# Altium PCB Discharge_B1.PcbDoc (part 2 of 2)
Units mm, origin at the board's own origin, x right, y up, seen from the top; angles counter-clockwise.
Board outline 152.4 x 81.92 mm, 4 copper layers (Top Layer, GND, PWR, Bottom Layer), stack 1.369 mm thick; 170 components, 115 nets, 560 pads, 460 vias.
Unrouted connection lines stored in the file: 8.
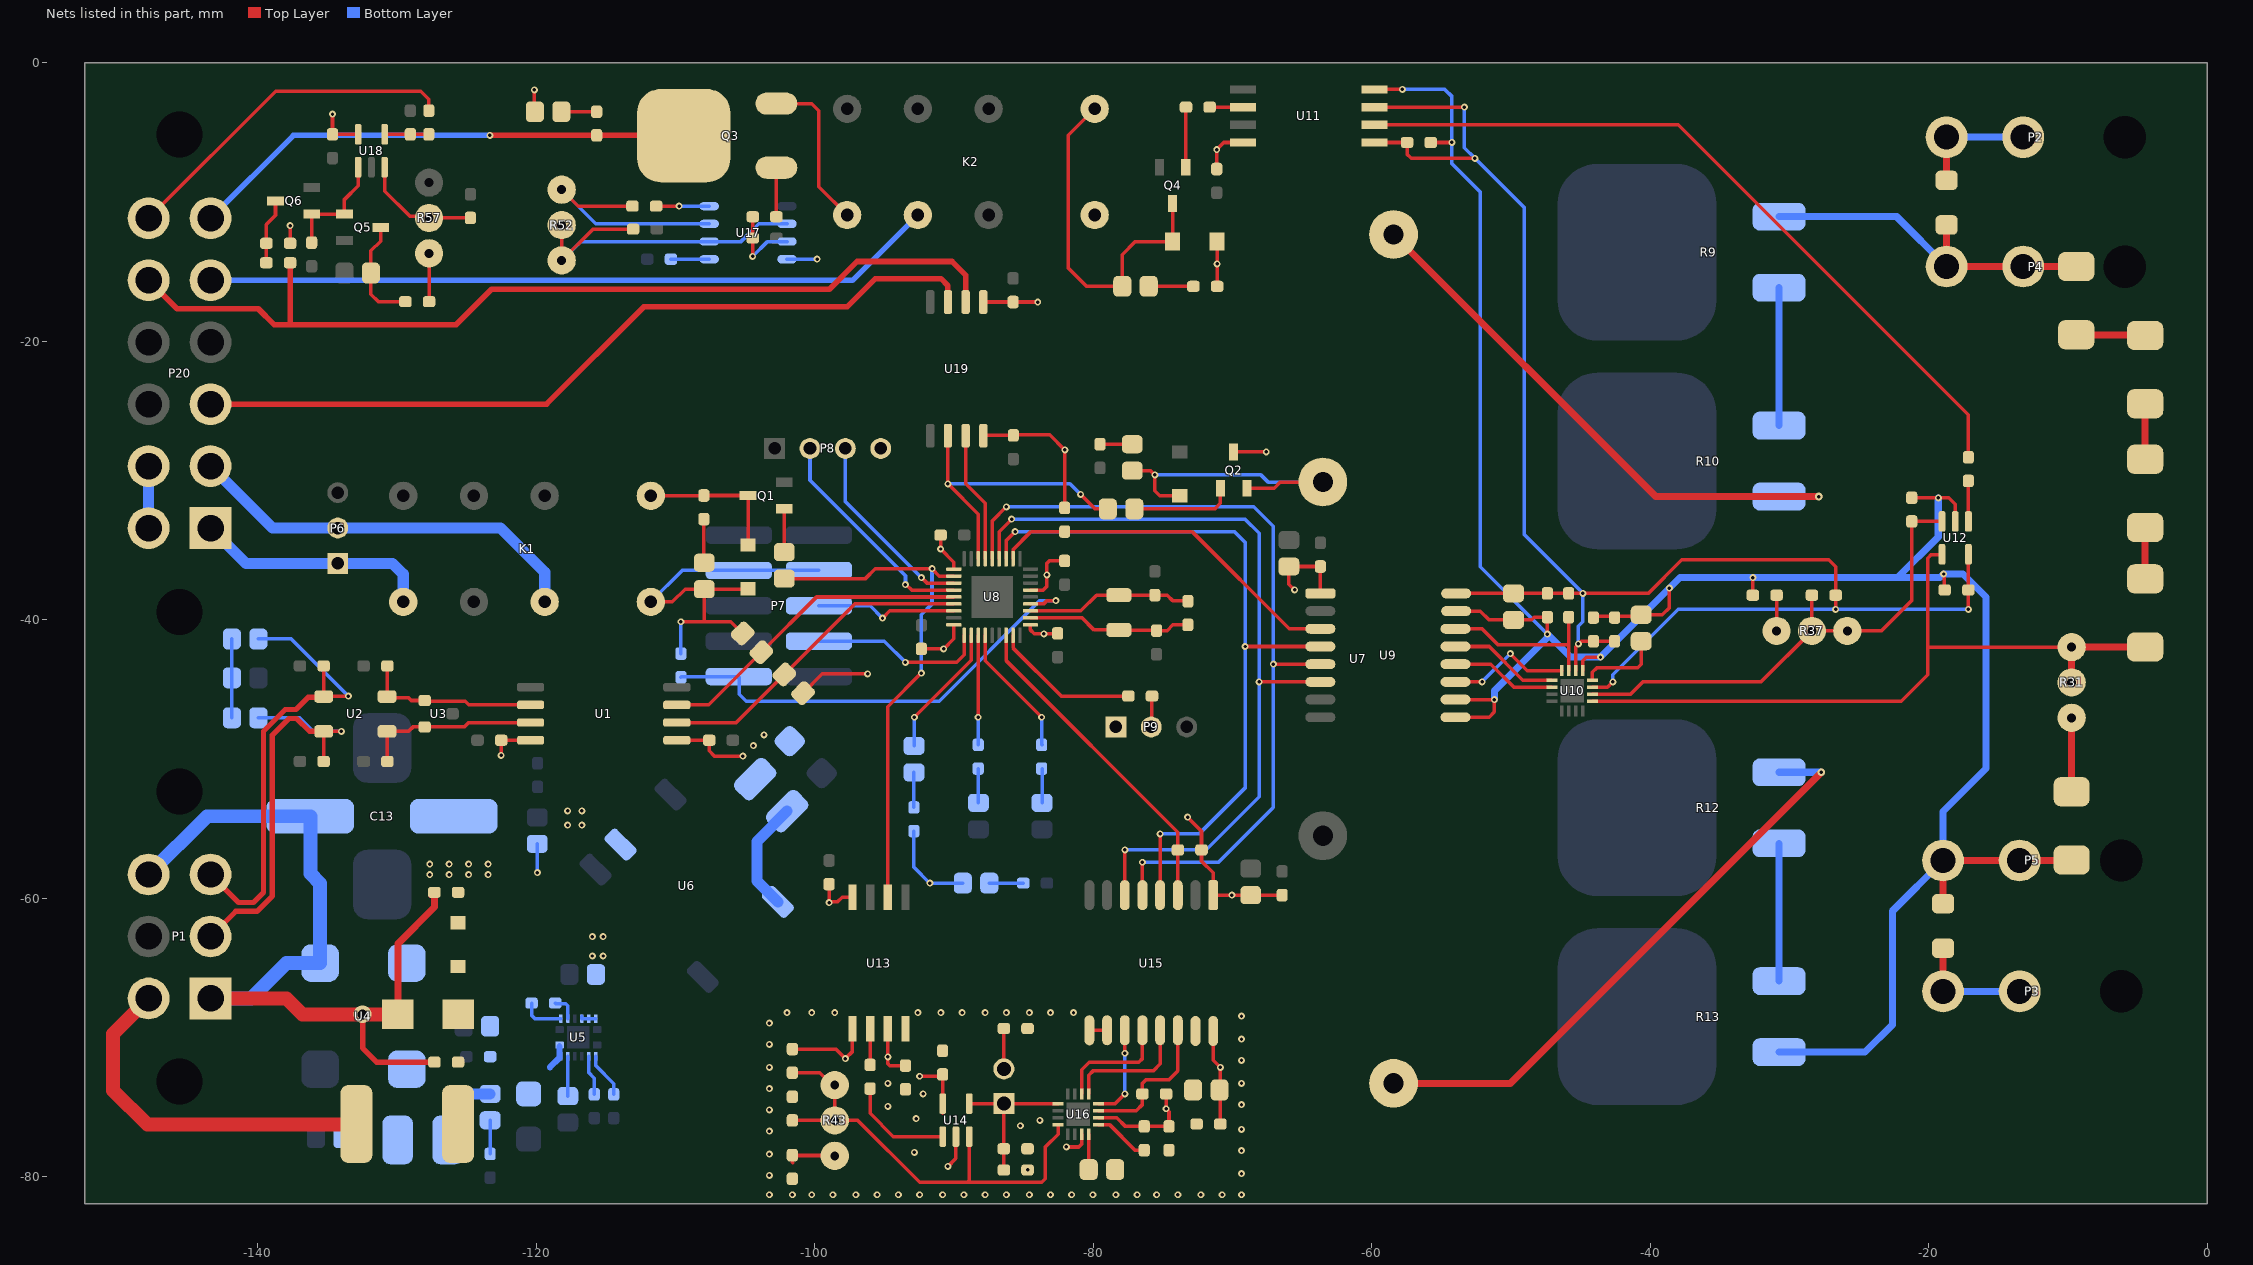
[diagram p4: the nets of this part, all layers, seen from the top]

## Via types
v1: diameter 0.5, hole 0.25, Top Layer to Bottom Layer, 448 vias
v2: diameter 0.254, hole 0.127, Top Layer to Bottom Layer, tented top, 9 vias
v3: diameter 0.55, hole 0.25, Top Layer to Bottom Layer, 2 vias
v4: diameter 1.27, hole 0.711, Top Layer to Bottom Layer, 1 vias

## Nets (pads, with @x,y where several pads share a name; then routed paths per layer and width w, separated by ;. In a path a pad name is that pad's centre, name@x,y a point inside that pad or via, vN(x,y) a via of type N, cw(c..) or ccw(c..) an arc to the next point about the centre after c; other vN are vias at no path point) (continued)
3V3: C2.2 C19.2 C20.2 C21.2 C22.2 C23.2 C28.1 C29.1 C39.2 C46.1 C47.1 C59.2 D5.A D6.A D7.K K1.1 L2.1 P7.7 P7.8 P8.4 P9.1 Q2.D R15.2 R18.2 R19.2 R20.2 R21.2 R22.2 U1.1 U8.1 U8.6 U8.19 U8.27 U9.1 U13.8 U15.1 U19.8 | length 93.4
  Top Layer w0.254: K1.1@-111.76,-38.708 -110.209,-38.708 -109.293,-37.792 D6.A@-107.924,-37.792 ; U1.1@-109.896,-48.641 C2.2@-107.569,-48.641 -107.569,-49.403 -107.188,-49.784 v1(-105.156,-49.784) ; v1(-109.601,-40.132) -106.008,-40.132 R19.2@-105.166,-40.974 ; -107.924,-40.013 D6.A@-107.924,-37.792 ; D7.K@-104.775,-37.77 -104.797,-37.792 D6.A@-107.924,-37.792 ; R18.2@-100.828,-45.259 -99.441,-43.871 v1(-96.195,-43.871) ; C39.2@-98.959,-58.977 v1(-98.959,-60.299) -98.912,-60.252 -98.352,-60.252 -98.018,-59.918 U13.8@-97.282,-59.918 ; C23.2@-92.329,-42.086 v1(-90.727,-42.086) -89.999,-41.358 U8.27@-89.999,-40.354 ; C22.2@-90.949,-33.909 v1(-90.949,-34.908) -89.999,-35.858 U8.19@-89.999,-36.354 ; U19.8@-87.884,-26.771 -87.861,-26.748 C59.2@-85.725,-26.748 -85.686,-26.709 -83.11,-26.709 v1(-82.024,-27.795) ; U8.6@-84.499,-37.854 -83.574,-37.854 -83.312,-37.592 v1(-83.312,-36.767) -83.312,-35.941 -83.136,-35.765 C20.2@-82.042,-35.765 ; U8.1@-84.497,-40.356 U8.1@-84.499,-40.354 -84.499,-40.723 -84.226,-40.996 v1(-83.528,-40.996) C21.2@-82.829,-40.996 ; R21.2@-82.042,-31.955 -82.042,-27.813 v1(-82.024,-27.795) ; v1@-82.006,-27.777 v1(-82.024,-27.795) ; v1(-73.215,-54.165) -72.214,-55.167 R22.2@-72.214,-56.515 -72.214,-57.326 -71.374,-58.166 U15.1@-71.374,-59.766 C47.1@-68.681,-59.766 C46.1@-66.421,-59.766 ; Q2.D@-69.911,-27.94 v1(-67.564,-27.94) ; v1(-65.532,-37.846) -65.938,-37.44 C29.1@-65.938,-36.165 C28.1@-63.678,-36.165 U9.1@-63.678,-38.1
  Bottom Layer w0.254: K1.1@-111.76,-38.708 -109.501,-36.449 P7.7@-105.445,-36.449 P7.8@-99.695,-36.449 ; R20.2@-109.601,-42.418 v1(-109.601,-40.132) ; R15.2@-92.863,-55.167 -92.863,-57.759 v1(-91.72,-58.902) D5.A@-89.354,-58.902
  other v1: -70.027,-59.766 -104.394,-49.022 -103.632,-48.26
5kW: P20.8 R60.1 U19.2 | length 68.7
  Top Layer w0.4: P20.8@-147.828,-15.606 -145.781,-17.653 -139.954,-17.653 -138.811,-18.796 -137.668,-18.796 ; R60.1@-137.668,-14.351 -137.668,-16.002 -137.668,-18.796 ; U19.2@-89.154,-17.171 -89.154,-15.24 -90.131,-14.263 -96.94,-14.263 -98.933,-16.256 -123.19,-16.256 -125.73,-18.796 -137.668,-18.796
5V: C1.2 C14.2 C35.2 C56.2 C58.2 D4.A D13.A D14.K K2.1 R50.1 R54.2 R56.2 R57.1 R59.2 U1.8 U5.4 U5.5 U5.6 U6.2 U11.8 U17.4 U17.8 U18.5 U19.1 | length 32.6
  Top Layer w0.254: R59.2@-137.668,-12.954 v1(-137.668,-11.684) ; v1(-134.62,-3.683) C56.2@-134.62,-5.131 U18.5@-132.776,-5.131 ; R56.2@-127.686,-17.145 R57.1@-127.686,-13.675 ; v1(-122.506,-49.735) C1.2@-122.506,-48.641 U1.8@-120.396,-48.641 ; D13.A@-120.142,-3.424 -120.115,-3.397 v1(-120.115,-1.932) ; R50.1@-111.379,-10.287 v1(-109.728,-10.287) ; U19.1@-87.884,-17.171 C58.2@-85.743,-17.171 v1(-83.973,-17.171) ; C35.2@-71.12,-7.62 v1(-71.12,-6.223) -70.612,-5.715 U11.8@-69.241,-5.715 ; R54.2@-71.095,-16.043 D14.K@-71.095,-12.827
  Bottom Layer w0.254: v1(-119.914,-58.14) D4.A@-119.914,-56.08 ; U5.4@-116.717,-68.449 U5.4@-116.717,-68.627 U5.5@-116.217,-68.627 U5.6@-115.717,-68.627 ; v1(-109.728,-10.287) U17.8@-107.569,-10.287 ; U17.4@-101.981,-14.097 v1(-99.822,-14.097)
  other v1: -115.951,-64.135 -115.189,-64.135 -115.951,-62.738 -115.189,-62.738 -117.729,-54.737 -116.713,-54.737 -117.729,-53.721 -116.713,-53.721 -71.095,-14.435
BOOT0: P9.2 R23.1 | length 2.2
  Top Layer w0.254: P9.2@-75.819,-47.689 -75.795,-47.664 -75.795,-45.491 R23.1@-75.77,-45.466
CAN1_N: C3.2 P1.3 R2.1 U2.2 | length 34
  Top Layer w0.254: C3.2@-135.255,-43.307 U2.2@-135.255,-45.506 -135.235,-45.486 -133.497,-45.486 v1(-133.477,-45.466)
  Top Layer w0.381: P1.3@-143.378,-58.283 -141.37,-60.291 -140.301,-60.291 -139.573,-59.563 -139.573,-47.997 -138.015,-46.438 -137.243,-46.438 -136.366,-45.561 -135.31,-45.561 U2.2@-135.255,-45.506
  Bottom Layer w0.25: R2.1@-139.944,-41.37 -137.573,-41.37 v1(-133.477,-45.466)
CAN1_P: C4.2 P1.2 R1.2 U2.1 | length 31.6
  Top Layer w0.254: C4.2@-135.255,-50.165 U2.1@-135.255,-48.006 v1(-133.985,-48.006)
  Top Layer w0.381: P1.2@-143.378,-62.733 -141.571,-60.926 -140.038,-60.926 -138.938,-59.826 -138.938,-48.26 -137.751,-47.073 -137.203,-47.073 -136.278,-47.999 -135.262,-47.999 U2.1@-135.255,-48.006
  Bottom Layer w0.254: R1.2@-139.944,-47.033 -136.99,-47.033 -136.017,-48.006 v1(-133.985,-48.006)
CAN_RX_INDC: R17.2 U8.31 | length 9.6
  Top Layer w0.254: U8.31@-87.749,-41.104 -87.749,-42.934 v1(-83.693,-46.99)
  Bottom Layer w0.254: v1(-83.693,-46.99) -83.693,-48.947 R17.2@-83.667,-48.973
CAN_TX_INDC: R16.2 U8.30 | length 7.9
  Top Layer w0.254: v1(-88.249,-46.99) U8.30@-88.249,-41.104
  Bottom Layer w0.254: R16.2@-88.249,-48.973 v1(-88.249,-46.99)
CLK_ADC: U15.13 U16.13 | length 9.2
  Top Layer w0.254: U16.13@-80.313,-74.041 -80.313,-72.693 -80.01,-72.39 -75.692,-72.39 -75.184,-71.882 U15.13@-75.184,-69.468
CLK_HV: U9.13 U10.13 | length 7.9
  Top Layer w0.254: U9.13@-53.976,-41.91 -51.562,-41.91 -49.133,-44.339 U10.13@-47.047,-44.339
Clock: R51.1 R53.1 U17.3 | length 5.7
  Top Layer w0.254: v1(-104.443,-13.892) R53.1@-104.443,-12.573 R51.1@-104.443,-11.049
  Bottom Layer w0.254: v1(-104.443,-13.892) -103.378,-12.827 U17.3@-101.981,-12.827
CS_ADC: R45.1 U15.14 U16.11 | length 10.7
  Top Layer w0.254: U16.11@-79.613,-75.241 -76.892,-75.241 -76.454,-74.803 R45.1@-76.454,-74.041 -76.454,-73.279 -76.2,-73.025 -74.549,-73.025 -73.914,-72.39 U15.14@-73.914,-69.468
CS_HV: R26.1 U9.14 U10.11 | length 12.5
  Top Layer w0.254: U9.14@-53.976,-40.64 -52.07,-40.64 -50.927,-41.783 -45.91,-41.783 -45.847,-41.719 ; U10.11@-45.847,-43.639 -45.847,-41.719 ; R26.1@-45.847,-39.8 -45.847,-41.719
Discharge: R50.2 R52.3 U17.7 | length 17.2
  Top Layer w0.254: R52.3@-118.161,-9.103 -116.977,-10.287 R50.2@-113.079,-10.287
  Bottom Layer w0.254: R52.3@-118.161,-9.103 -115.707,-11.557 U17.7@-107.569,-11.557
DISCHARGE_DISABLE: P20.3 U19.3 | length 58.1
  Top Layer w0.4: P20.3@-143.378,-24.506 -119.248,-24.506 -112.268,-17.526 -97.663,-17.526 -95.631,-15.494 -90.932,-15.494 -90.424,-16.002 U19.3@-90.424,-17.171
GL: P20.11 P20.12 | length 4.4
  Bottom Layer w0.8: P20.12@-147.828,-33.406 P20.11@-147.828,-28.956
GL_IN: K1.4 P6.2 P20.2 | length 29.3
  Bottom Layer w0.8: P20.2@-143.378,-28.956 -138.933,-33.401 P6.2@-134.239,-33.401 -122.555,-33.401 -119.38,-36.576 K1.4@-119.38,-38.708
GL_OUT: K1.8 P6.1 P20.1 | length 17.2
  Bottom Layer w0.8: P20.1@-143.378,-33.406 -140.843,-35.941 P6.1@-134.239,-35.941 -130.302,-35.941 -129.54,-36.703 K1.8@-129.54,-38.708
GLV+: F1.1 P1.6 | length 26.2
  Top Layer w0.8: F1.1@-132.94,-76.237 F1.1@-132.903,-76.2
  Top Layer w1: P1.6@-147.828,-67.183 -150.368,-69.723 -150.368,-73.787 -147.918,-76.237 F1.1@-132.94,-76.237
GLV-: C11.1 C12.1 C13.1 D3.K P1.1 P1.4 U4.4 | length 65.3
  Top Layer w0.254: C12.1@-127.581,-59.841 -127.581,-59.83 -127.313,-59.563 C12.1@-127.303,-59.563
  Top Layer w0.4: v4(-132.461,-68.326) -132.461,-70.739 -131.445,-71.755 C11.1@-127.303,-71.755
  Top Layer w0.508: D3.K@-129.927,-68.326 -129.927,-63.252 -127.303,-60.628 C12.1@-127.303,-59.563
  Top Layer w1: P1.1@-143.378,-67.183 -137.922,-67.183 -136.779,-68.326 v4(-132.461,-68.326) D3.K@-129.927,-68.326
  Bottom Layer w1: P1.4@-147.828,-58.283 -143.647,-54.102 C13.1@-136.214,-54.102 -136.214,-58.223 -135.506,-58.931 U4.4@-135.506,-64.643 -137.922,-64.643 -140.462,-67.183 P1.1@-143.378,-67.183
GND_PDOC: C40.1 C41.1 C42.1 C43.1 C44.2 C45.2 C48.1 C49.1 C50.1 R41.1 R44.1 U13.4 U14.2 U15.9 U15.10 U15.15 U16.9 | length 7
  Top Layer w0.254: v1(-90.424,-79.248) -89.85,-78.674 U14.2@-89.85,-77.8 ; U15.9@-80.264,-69.469 U15.10@-78.994,-69.468 ; U16.9@-79.613,-76.241 -78.826,-76.241 -76.991,-78.076 C49.1@-76.327,-78.076
  other v1: -103.251,-81.28 -101.6,-81.28 -100.203,-81.28 -98.679,-81.28 -97.028,-81.28 -95.504,-81.28 -93.98,-81.28 -92.456,-81.28 -90.805,-81.28 -89.281,-81.28 -87.757,-81.28 -86.233,-81.28 -84.582,-81.28 -83.058,-81.28 -81.534,-81.28 -80.01,-81.28 -78.359,-81.28 -76.835,-81.28 -75.438,-81.28 -73.914,-81.28 -72.263,-81.28 -70.739,-81.28 -69.342,-81.28 -103.251,-79.883 -69.342,-79.756 -103.251,-78.359 -92.837,-78.232 -69.342,-78.105 -103.251,-76.708 -69.342,-76.581 -85.217,-76.327 -83.82,-75.946 -92.71,-75.819 -103.251,-75.184 -94.742,-74.93 -69.342,-74.803 -92.202,-74.041 -103.251,-73.66 -94.742,-73.279 -69.342,-73.279 -103.251,-72.136 -69.342,-71.628 -103.251,-70.485 -69.342,-70.104 -103.251,-68.961 -69.342,-68.453 -101.981,-68.199 -100.203,-68.199 -98.552,-68.199 -92.583,-68.199 -90.932,-68.199 -89.408,-68.199 -87.757,-68.199 -86.233,-68.199 -84.582,-68.199 -83.058,-68.199 -81.407,-68.199
HB: D10.K U8.29 | length 9.6
  Top Layer w0.254: v1(-92.837,-46.99) -88.749,-42.902 U8.29@-88.749,-41.104
  Bottom Layer w0.254: D10.K@-92.837,-49.025 v1(-92.837,-46.99)
HIGH_SENSE: P20.7 R58.1 | length 25
  Top Layer w0.254: P20.7@-147.828,-11.156 -138.704,-2.032 -128.27,-2.032 -127.701,-2.601 R58.1@-127.701,-3.431
"HV MC-": C26.2 C27.2 C30.1 C31.1 C32.1 C36.1 C37.1 C38.1 P5.1 P5.2 R13.2 R33.1 R38.1 R63.2 U9.9 U9.10 U9.15 U10.9 U11.4 U12.2 | length 183.1
  Top Layer w0.254: U11.4@-59.791,-1.905 v1(-57.785,-1.905) ; C36.1@-55.753,-5.715 v1(-54.229,-5.715) ; U9.10@-53.976,-45.72 v1(-51.181,-45.72) -51.181,-46.609 -51.562,-46.99 U9.9@-53.975,-46.99 ; U9.15@-53.925,-39.37 -52.197,-39.37 -51.567,-40 C27.2@-49.81,-40 -48.509,-40 -48.309,-39.8 C26.2@-47.371,-39.8 v1(-47.371,-41.021) ; U10.9@-44.847,-43.639 -44.845,-43.637 -44.845,-42.94 -44.577,-42.672 v1(-43.561,-42.672) ; C32.1@-44.069,-39.829 -43.969,-39.729 -40.74,-39.729 C30.1@-40.64,-39.629 -39.121,-39.629 -38.608,-39.116 v1(-38.608,-37.719) ; R38.1@-32.617,-38.227 v1(-32.617,-36.957) ; C37.1@-21.209,-31.231 -18.553,-31.231 -18.087,-31.697 U12.2@-18.087,-32.931 ; v1(-18.923,-36.703) -18.884,-36.742 -18.884,-37.807 C38.1@-18.845,-37.846 ; R33.1@-9.764,-57.277 R33.1@-9.728,-57.241
  Top Layer w0.508: R63.2@-18.962,-60.376 P5.2@-18.962,-57.277 P5.1@-13.462,-57.277 R33.1@-9.764,-57.277
  Bottom Layer w0.254: v1(-57.785,-1.905) -54.737,-1.905 -54.229,-2.413 v1(-54.229,-5.715) -54.229,-7.239 -52.197,-9.271 -52.197,-36.195 v1(-47.371,-41.021)
  Bottom Layer w0.508: v1(-51.181,-45.72) -51.181,-45.085 -47.371,-41.275 v1(-47.371,-41.021) -45.72,-42.672 v1(-43.561,-42.672) v1(-38.608,-37.719) -37.846,-36.957 v1(-32.617,-36.957) -22.225,-36.957 ; R13.2@-30.737,-71.042 -24.56,-71.042 -22.606,-69.088 -22.606,-60.921 P5.2@-18.962,-57.277 -18.962,-53.76 -15.875,-50.673 -15.875,-38.354 -17.526,-36.703 v1(-18.923,-36.703) -19.177,-36.957 -22.225,-36.957 ; v1(-19.304,-31.242) -19.304,-34.036 -22.225,-36.957
HV_MC+: P4.1 P4.2 R9.1 R25.2 R62.2 | length 25.8
  Top Layer w0.508: R62.2@-18.708,-11.633 P4.2@-18.708,-14.622 P4.1@-13.208,-14.622 R25.2@-9.398,-14.622
  Bottom Layer w0.508: R9.1@-30.737,-11.043 -22.287,-11.043 P4.2@-18.708,-14.622
HVVDD: C26.1 C27.1 C31.2 C32.2 C36.2 C38.2 R26.2 R35.2 U9.16 U10.7 U10.10 U11.1 U11.3 U12.5 | length 126.6
  Top Layer w0.254: U11.1@-59.791,-5.715 C36.2@-57.453,-5.715 -57.453,-6.555 -57.15,-6.858 v1(-52.578,-6.858) ; U11.3@-59.791,-3.175 v1(-53.34,-3.175) ; U9.16@-53.925,-38.1 C27.1@-49.81,-38.1 C26.1@-47.371,-38.1 R26.2@-45.847,-38.1 v1(-44.831,-38.1) -40.132,-38.1 -37.719,-35.687 -27.178,-35.687 -26.673,-36.192 -26.673,-39.24 v1(-26.67,-39.243) ; U10.10@-45.347,-43.639 -45.347,-41.918 v1(-45.153,-41.724) -44.958,-41.529 C32.2@-44.069,-41.529 C31.2@-42.545,-41.529 ; U10.7@-44.147,-44.839 -43.061,-44.839 v1(-42.672,-44.45) ; v1(-17.145,-39.243) C38.2@-17.145,-37.846 -17.141,-37.842 -17.141,-35.297 U12.5@-17.137,-35.293
  Bottom Layer w0.254: v1(-53.34,-3.175) -53.34,-6.096 v1(-52.578,-6.858) -49.022,-10.414 -49.022,-33.874 -44.831,-38.065 v1(-44.831,-38.1) -44.831,-40.132 -45.153,-40.454 v1(-45.153,-41.724) ; v1(-42.672,-44.45) -42.672,-43.942 -37.973,-39.243 v1(-26.67,-39.243) v1(-17.145,-39.243)
MISO_ADC: U15.11 U16.12 | length 6.8
  Top Layer w0.254: U16.12@-79.613,-74.741 -78.424,-74.741 v1(-77.724,-74.041) ; v1(-77.724,-71.12) U15.11@-77.724,-69.468
  Bottom Layer w0.254: v1(-77.724,-74.041) v1(-77.724,-71.12)
MISO_HV: U9.11 U10.12 | length 9
  Top Layer w0.254: U9.11@-53.976,-44.45 v1(-52.07,-44.45) ; v1(-50.038,-42.418) -48.817,-43.639 U10.12@-46.347,-43.639
  Bottom Layer w0.254: v1(-52.07,-44.45) v1(-50.038,-42.418)
MOSI_ADC: U15.12 U16.14 | length 8.5
  Top Layer w0.254: U16.14@-80.813,-74.041 -80.813,-72.304 -80.264,-71.755 -76.708,-71.755 -76.454,-71.501 U15.12@-76.454,-69.468
MOSI_HV: U9.12 U10.14 | length 7.6
  Top Layer w0.254: U9.12@-53.976,-43.18 -51.435,-43.18 -49.776,-44.839 U10.14@-47.047,-44.839
NetC5_2: C5.2 U1.6 U2.3 U3.1 | length 12.7
  Top Layer w0.254: C5.2@-130.683,-43.307 -130.683,-45.484 -130.574,-45.593 -129.159,-45.593 -128.966,-45.786 U3.1@-128,-45.786 -127.939,-45.847 -125.095,-45.847 -124.841,-46.101 U1.6@-120.396,-46.101
NetC6_2: C6.2 U1.7 U2.4 U3.2 | length 12.7
  Top Layer w0.254: C6.2@-130.683,-50.165 -130.683,-48.028 U2.4@-130.705,-48.006 -129.159,-48.006 -128.839,-47.686 U3.2@-128,-47.686 -125.156,-47.686 -124.841,-47.371 U1.7@-120.396,-47.371
NetC7_2: C7.2 R1.1 R2.2 | length 5.7
  Bottom Layer w0.254: R1.1@-141.844,-47.033 C7.2@-141.844,-44.164 R2.2@-141.844,-41.37
NetC8_2: C8.2 L1.2 U4.2
NetC11_2: C11.2 D1.A D3.A F1.2
NetC16_1: C16.1 U5.2 | length 1.9
  Bottom Layer w0.254: C16.1@-118.626,-67.515 -118.585,-67.556 -117.866,-67.556 -117.717,-67.705 U5.2@-117.717,-68.627
NetC16_2: C16.2 U5.1 | length 3.1
  Bottom Layer w0.254: C16.2@-120.326,-67.515 -120.326,-68.396 -120.095,-68.627 U5.1@-118.217,-68.627
NetC17_2: C17.2 U5.13 | length 2.9
  Bottom Layer w0.254: C17.2@-117.721,-74.199 -117.717,-74.195 U5.13@-117.717,-71.327
NetC18_2: C18.2 U5.10 | length 2.9
  Bottom Layer w0.254: U5.10@-116.217,-71.327 -116.217,-72.505 -115.82,-72.902 C18.2@-115.82,-74.072
NetC24_2: C24.2 R24.1 U8.2 X1.1 | length 11.8
  Top Layer w0.254: U8.2@-84.499,-39.854 -80.796,-39.854 -79.929,-40.721 X1.1@-78.149,-40.721 -78.126,-40.744 -75.461,-40.744 C24.2@-75.438,-40.767 -74.676,-40.767 -74.269,-40.36 R24.1@-73.196,-40.36
NetC25_2: C25.2 R24.2 U8.3 X1.2 | length 12
  Top Layer w0.254: U8.3@-84.499,-39.354 -80.883,-39.354 -79.75,-38.221 X1.2@-78.149,-38.221 C25.2@-75.565,-38.221 -74.682,-38.221 -74.295,-38.608 -73.248,-38.608 R24.2@-73.196,-38.66
NetC30_2: C30.2 U10.8 | length 6
  Top Layer w0.254: U10.8@-44.147,-44.339 -44.147,-43.766 -43.815,-43.434 -40.894,-43.434 -40.64,-43.18 C30.2@-40.64,-41.529
NetC37_2: C37.2 R35.1 R37.1 R37.2 U10.6 U12.3 | length 36.1
  Top Layer w0.254: U10.6@-44.147,-45.339 -41.402,-45.339 -40.513,-44.45 -32.034,-44.45 R37.2@-28.377,-40.793 ; R35.1@-28.377,-38.227 R37.2@-28.377,-40.793 ; U12.3@-19.037,-32.931 C37.2@-21.209,-32.931 -21.209,-38.608 -23.394,-40.793 R37.1@-25.837,-40.793 R37.2@-28.377,-40.793
NetC40_2: C40.2 P10.2 R39.1 U14.4 U16.1 | length 11.1
  Top Layer w0.254: U14.4@-88.9,-74.741 P10.2@-86.409,-74.741 ; R39.1@-86.409,-79.502 C40.2@-86.409,-77.978 P10.2@-86.409,-74.741 ; U16.1@-82.513,-74.741 P10.2@-86.409,-74.741
NetC43_2: C43.2 R42.1 R43.1 R43.2 U14.3 U16.4 | length 33.2
  Top Layer w0.254: C43.2@-101.6,-75.946 R43.2@-98.552,-75.946 ; R42.1@-101.6,-72.517 -99.639,-72.517 R43.1@-98.75,-73.406 ; R43.1@-98.75,-73.914 -98.552,-73.914 R43.2@-98.552,-75.946 ; U14.3@-88.9,-77.103 -88.9,-80.242 -89.049,-80.391 ; U16.4@-82.513,-76.241 -82.513,-76.925 -83.439,-77.851 -83.439,-80.137 -83.693,-80.391 -89.049,-80.391 ; R43.2@-98.552,-75.946 -96.901,-75.946 -92.456,-80.391 -89.049,-80.391
NetC48_2: C48.2 U16.8 | length 2.5
  Top Layer w0.254: C48.2@-80.313,-79.476 U16.8@-80.313,-76.941
NetC53_2: C53.2 U17.5 | length 2.7
  Bottom Layer w0.254: C53.2@-110.314,-14.097 U17.5@-107.569,-14.097
NetC55_2: C55.2 R57.2 U18.3 | length 8.7
  Top Layer w0.254: U18.3@-130.876,-7.493 -130.876,-9.205 -129.083,-10.998 -127.823,-10.998 R57.2@-127.686,-11.135 C55.2@-124.714,-11.135
NetC57_2: C57.2 R58.2 U18.4 | length 3.4
  Top Layer w0.254: U18.4@-130.876,-5.131 -128.839,-5.131 R58.2@-127.508,-5.131
NetD2_K: D2.K R3.2 | length 2.4
  Bottom Layer w0.254: R3.2@-123.299,-78.351 D2.K@-123.299,-75.933
NetD5_K: D5.K R6.2 | length 2.4
  Bottom Layer w0.254: D5.K@-87.454,-58.902 R6.2@-85.012,-58.902
NetD6_K: D6.K R7.2 | length 3.1
  Top Layer w0.254: R7.2@-107.95,-32.766 -107.95,-35.866 D6.K@-107.924,-35.892
NetD7_A: D7.A K1.16 Q1.D R7.1 | length 10.5
  Top Layer w0.254: K1.16@-111.749,-31.077 -107.961,-31.077 R7.1@-107.95,-31.066 Q1.D@-104.775,-31.066 D7.A@-104.775,-34.62
NetD8_A: D8.A D9.K Q2.S U7.2 | length 22.7
  Top Layer w0.254: D8.A@-77.19,-29.283 -75.873,-29.283 v1(-75.565,-29.591) -75.565,-30.734 -75.209,-31.09 D9.K@-73.787,-31.09 ; Q2.S@-68.961,-30.54 -66.989,-30.54 -66.548,-30.099 U7.2@-63.5,-30.099
  Bottom Layer w0.254: v1(-75.565,-29.591) -67.945,-29.591 -67.437,-30.099 U7.2@-63.5,-30.099
NetD8_K: D8.K R11.2 | length 2.3
  Top Layer w0.254: R11.2@-79.502,-27.383 D8.K@-77.19,-27.383
NetD10_A: D10.A R15.1 | length 2.5
  Bottom Layer w0.254: R15.1@-92.863,-53.467 D10.A@-92.863,-50.952
NetD11_A: D11.A R16.1 | length 2.5
  Bottom Layer w0.254: D11.A@-88.249,-53.14 R16.1@-88.249,-50.673
NetD12_A: D12.A R17.1 | length 2.5
  Bottom Layer w0.254: D12.A@-83.667,-53.14 R17.1@-83.667,-50.673
NetD13_K: D13.K R49.2 | length 2.5
  Top Layer w0.254: D13.K@-118.11,-3.556 -118.061,-3.507 R49.2@-115.648,-3.507
NetD14_A: D14.A D15.K K2.16 Q4.D | length 25.7
  Top Layer w0.254: K2.16@-79.883,-3.302 -81.788,-5.207 -81.788,-14.732 -80.477,-16.043 D15.K@-77.904,-16.043 -77.904,-13.769 -76.962,-12.827 D14.A@-74.295,-12.827 Q4.D@-74.295,-10.093
NetD15_A: D15.A R54.1 | length 3.2
  Top Layer w0.254: D15.A@-76.004,-16.043 R54.1@-72.795,-16.043
NetD16_A: D16.A Q5.D R56.1 | length 7.8
  Top Layer w0.254: Q5.D@-131.161,-11.806 -131.161,-12.797 -131.861,-13.497 D16.A@-131.861,-15.087 -131.861,-16.602 -131.318,-17.145 R56.1@-129.386,-17.145
NetK2_8: K2.8 Q3.S | length 11.6
  Top Layer w0.254: Q3.S@-102.743,-2.921 -100.203,-2.921 -99.695,-3.429 -99.695,-8.89 K2.8@-97.663,-10.922
NetL2_2: L2.2 U6.5 | length 8
  Bottom Layer w0.8: U6.5@-102.637,-60.25 -104.14,-58.747 -104.14,-55.904 L2.2@-101.969,-53.733
NetP2_1: P2.1 P2.2 R62.1 | length 8.6
  Top Layer w0.508: R62.1@-18.708,-8.433 P2.2@-18.708,-5.334
  Bottom Layer w0.508: P2.2@-18.708,-5.334 P2.1@-13.208,-5.334
NetP3_1: P3.1 P3.2 R63.1 | length 8.6
  Top Layer w0.508: P3.2@-18.962,-66.675 R63.1@-18.962,-63.576
  Bottom Layer w0.508: P3.2@-18.962,-66.675 P3.1@-13.462,-66.675
NetP10_1: P10.1 R41.2 | length 3
  Top Layer w0.254: P10.1@-86.409,-72.303 R41.2@-86.409,-69.342
NetQ1_G: Q1.G R8.2 | length 3.1
  Top Layer w0.254: R8.2@-102.175,-35.13 Q1.G@-102.175,-32.016
NetQ2_G: Q2.G R14.2 | length 7.4
  Top Layer w0.254: R14.2@-77.04,-32.03 -71.273,-32.03 -70.861,-31.618 Q2.G@-70.861,-30.54
NetQ3_G: Q3.G R51.2 | length 2.8
  Top Layer w0.254: R51.2@-102.743,-11.049 Q3.G@-102.743,-8.283
NetQ4_G: Q4.G R55.2 | length 4.4
  Top Layer w0.254: R55.2@-73.533,-3.175 -73.345,-3.363 Q4.G@-73.345,-7.493
NetQ5_G: Q5.G Q6.G R61.2 U18.1 | length 8.2
  Top Layer w0.254: R61.2@-136.114,-12.905 Q6.G@-136.114,-10.856 Q5.G@-133.761,-10.856 -133.761,-9.809 -132.776,-8.824 U18.1@-132.776,-7.493
NetQ6_D: Q6.D R59.1 R60.2 | length 4.7
  Top Layer w0.254: R60.2@-139.368,-14.351 R59.1@-139.368,-12.954 -139.368,-11.606 -138.714,-10.952 Q6.D@-138.714,-9.906
NetR4_2: R4.2 U5.9 | length 3.3
  Bottom Layer w0.254: U5.9@-115.717,-71.327 -115.717,-72.003 -114.423,-73.297 R4.2@-114.423,-74.072
NetR8_1: R8.1 U8.20 U13.6 | length 37.6
  Top Layer w0.254: R8.1@-102.175,-37.03 -96.339,-37.03 -95.631,-36.322 v1(-91.567,-36.322) -91.035,-36.854 U8.20@-89.999,-36.854 ; U13.6@-94.742,-59.918 -94.742,-46.228 v1(-92.329,-43.815)
  Bottom Layer w0.254: v1(-92.329,-43.815) -92.329,-39.624 -91.567,-38.862 v1(-91.567,-36.322)
NetR9_2: R9.2 R10.1 | length 9.9
  Bottom Layer w0.508: R10.1@-30.737,-26.043 R9.2@-30.737,-16.143
NetR10_2: R10.2 U7.1 | length 41.2
  Top Layer w0.508: U7.1@-58.42,-12.319 -39.596,-31.143 v3(-27.886,-31.143)
  Bottom Layer w0.508: R10.2@-30.737,-31.143 v3(-27.886,-31.143)
NetR12_1: R12.1 U7.4 | length 43
  Top Layer w0.508: U7.4@-58.42,-73.279 -50.038,-73.279 v3(-27.701,-50.942)
  Bottom Layer w0.508: R12.1@-30.737,-50.942 v3(-27.701,-50.942)
NetR12_2: R12.2 R13.1 | length 9.9
  Bottom Layer w0.508: R13.1@-30.737,-65.942 R12.2@-30.737,-56.042
NetR14_1: R14.1 U8.16 U19.6 | length 22
  Top Layer w0.254: U19.6@-90.424,-26.771 v1(-90.424,-30.226) -88.249,-32.401 U8.16@-88.249,-35.604 ; v1(-80.899,-30.988) -79.857,-32.03 R14.1@-78.94,-32.03
  Bottom Layer w0.254: v1(-90.424,-30.226) -81.661,-30.226 v1(-80.899,-30.988)
NetR18_1: R18.1 U1.2 U8.24 | length 23.4
  Top Layer w0.254: U1.2@-109.896,-47.371 -105.627,-47.371 R18.1@-102.172,-43.915 -97.11,-38.854 U8.24@-89.999,-38.854
NetR19_1: R19.1 U1.3 U8.23 | length 23.1
  Top Layer w0.254: U1.3@-109.896,-46.101 -107.606,-46.101 R19.1@-103.822,-42.318 -99.859,-38.354 U8.23@-89.999,-38.354
NetR21_1: R21.1 U8.11 U9.3 | length 26.2
  Top Layer w0.254: U8.11@-85.749,-35.604 -85.749,-34.949 -84.455,-33.655 -72.898,-33.655 -65.913,-40.64 U9.3@-63.678,-40.64
NetR22_1: R22.1 U8.34 U15.3 | length 23.8
  Top Layer w0.254: U8.34@-86.249,-41.104 -86.249,-42.91 -73.914,-55.245 U15.3@-73.914,-59.766
NetR23_2: R23.2 U8.35 | length 10.6
  Top Layer w0.254: U8.35@-85.749,-41.104 -85.749,-42.013 -82.296,-45.466 R23.2@-77.47,-45.466
NetR25_1: R25.1 R28.2 | length 5
  Top Layer w0.254: R25.1@-9.398,-19.522 R25.1@-9.372,-19.549 ; R28.2@-4.471,-19.549 R28.2@-4.445,-19.575
  Top Layer w0.508: R25.1@-9.372,-19.549 R28.2@-4.471,-19.549
NetR28_1: R28.1 R29.2 | length 4
  Top Layer w0.508: R29.2@-4.445,-28.465 R28.1@-4.445,-24.475
NetR29_1: R29.1 R30.2 | length 3.7
  Top Layer w0.508: R30.2@-4.445,-37.051 R29.1@-4.445,-33.365
NetR30_1: R30.1 R31.2 R31.3 U10.5 U12.4 | length 52.6
  Top Layer w0.254: U10.5@-44.147,-45.839 -21.963,-45.839 -20.066,-43.942 -20.066,-41.91 ; U12.4@-19.037,-35.293 -19.05,-35.306 -19.812,-35.306 -20.066,-35.56 -20.066,-41.91 ; R31.3@-9.728,-41.951 -20.025,-41.951 -20.066,-41.91
  Top Layer w0.508: R31.2@-9.728,-44.491 R31.3@-9.728,-41.951 R30.1@-4.445,-41.951
NetR31_1: R31.1 R33.2 | length 5.3
  Top Layer w0.508: R33.2@-9.728,-52.341 R31.1@-9.728,-47.031
NetR36_1: R36.1 U12.1 | length 2.9
  Top Layer w0.254: R36.1@-17.145,-30.021 -17.141,-30.025 -17.141,-32.927 U12.1@-17.137,-32.931
NetR36_2: R36.2 U11.2 | length 54.3
  Top Layer w0.254: U11.2@-59.791,-4.445 -37.973,-4.445 -17.145,-25.273 R36.2@-17.145,-28.321
NetR37_3: R37.3 R38.2 | length 2.6
  Top Layer w0.254: R37.3@-30.917,-40.793 R38.2@-30.917,-38.227
NetR40_1: R40.1 U14.1 | length 7.7
  Top Layer w0.254: R40.1@-96.012,-73.66 -96.012,-75.438 -94.347,-77.103 U14.1@-90.8,-77.103
NetR40_2: R40.2 U13.2 | length 2.7
  Top Layer w0.254: R40.2@-96.012,-71.96 U13.2@-96.012,-69.241
NetR43_3: R43.3 R44.2 | length 3.1
  Top Layer w0.254: -101.6,-78.945 -101.576,-78.969 ; R44.2@-101.576,-78.461 R43.3@-98.577,-78.461 ; R43.3@-98.577,-78.969 R43.3@-98.552,-78.994
NetR55_1: R55.1 U11.6 | length 2.6
  Top Layer w0.254: R55.1@-71.882,-3.175 U11.6@-69.241,-3.175
NetU8_12: U8.12 U9.4 U15.4 | length 54
  Top Layer w0.254: U8.12@-86.249,-35.604 -86.249,-34.303 -85.601,-33.655 v1(-85.598,-33.655) ; U15.4@-75.184,-59.766 v1(-75.184,-55.372) ; v1(-69.088,-41.91) U9.4@-63.678,-41.91
  Bottom Layer w0.254: v1(-85.598,-33.655) -69.85,-33.655 -69.088,-34.417 v1(-69.088,-41.91) -69.088,-52.07 -72.39,-55.372 v1(-75.184,-55.372)
NetU8_13: U8.13 U9.6 U15.6 | length 59.2
  Top Layer w0.254: U8.13@-86.749,-35.604 -86.749,-33.663 v1(-85.852,-32.766) ; U15.6@-77.724,-59.766 v1(-77.724,-56.515) ; v1(-68.072,-44.45) U9.6@-63.678,-44.45
  Bottom Layer w0.254: v1(-85.852,-32.766) -69.088,-32.766 -68.072,-33.782 v1(-68.072,-44.45) -68.072,-52.705 -71.882,-56.515 v1(-77.724,-56.515)
NetU8_14: U8.14 U9.5 U15.5 | length 60.9
  Top Layer w0.254: U8.14@-87.249,-35.604 -87.249,-32.893 v1(-86.233,-31.877) ; U15.5@-76.454,-59.766 v1(-76.454,-57.404) ; v1(-67.056,-43.18) U9.5@-63.678,-43.18
  Bottom Layer w0.254: v1(-86.233,-31.877) -68.453,-31.877 -67.056,-33.274 v1(-67.056,-43.18) -67.056,-53.467 -70.993,-57.404 v1(-76.454,-57.404)
NetU8_15: U8.15 U19.7 | length 9.4
  Top Layer w0.254: U19.7@-89.154,-26.771 -89.154,-30.226 -87.749,-31.631 U8.15@-87.749,-35.604
NRST: P7.1 R20.1 U8.4 | length 33.3
  Top Layer w0.254: U8.4@-84.499,-38.854 -83.558,-38.854 -83.312,-38.608 v1(-82.677,-38.608)
  Bottom Layer w0.254: R20.1@-109.601,-44.118 -109.576,-44.093 -105.469,-44.093 P7.1@-105.445,-44.069 -105.41,-44.104 -105.41,-45.339 -104.902,-45.847 -91.059,-45.847 -83.82,-38.608 v1(-82.677,-38.608)
SWCLK: P7.4 U8.28 | length 12.7
  Top Layer w0.254: v1(-93.472,-43.053) -89.789,-43.053 -89.249,-42.513 U8.28@-89.249,-41.104
  Bottom Layer w0.254: P7.4@-99.695,-41.529 -94.996,-41.529 v1(-93.472,-43.053)
SWDIO: P7.6 U8.25 | length 10.3
  Top Layer w0.254: v1(-95.123,-39.878) -94.599,-39.354 U8.25@-89.999,-39.354
  Bottom Layer w0.254: P7.6@-99.695,-38.989 -96.012,-38.989 v1(-95.123,-39.878)
Trigger: C54.2 R52.1 R52.2 U17.2 U17.6 | length 25.9
  Top Layer w0.254: R52.2@-118.161,-11.643 R52.1@-118.161,-14.183 -115.916,-11.938 C54.2@-113.03,-11.938
  Bottom Layer w0.254: R52.1@-118.161,-14.183 -116.805,-12.827 U17.6@-107.569,-12.827 -105.283,-12.827 -104.013,-11.557 U17.2@-101.981,-11.557
TSAL_GREEN: K2.6 P20.5 | length 52.7
  Bottom Layer w0.254: P20.5@-143.378,-15.606 P20.5@-143.363,-15.621
  Bottom Layer w0.4: P20.5@-143.363,-15.621 -97.282,-15.621 K2.6@-92.583,-10.922
TSAL_RED: P20.6 Q3.D R49.1 | length 36.5
  Top Layer w0.254: Q3.D@-109.407,-5.207 Q3.D@-109.393,-5.221
  Top Layer w0.4: v1(-123.317,-5.207) R49.1@-115.648,-5.207 Q3.D@-109.407,-5.207
  Bottom Layer w0.4: P20.6@-143.378,-11.156 -137.429,-5.207 v1(-123.317,-5.207)
UART_RX: P8.2 U8.22 | length 16.3
  Top Layer w0.254: v1(-93.472,-37.465) -93.405,-37.465 -93.016,-37.854 U8.22@-89.999,-37.854
  Bottom Layer w0.254: P8.2@-100.33,-27.686 -100.33,-29.972 -93.472,-36.83 v1(-93.472,-37.465)
UART_TX: P8.3 U8.21 | length 14
  Top Layer w0.254: v1(-92.329,-36.957) -91.932,-37.354 U8.21@-89.999,-37.354
  Bottom Layer w0.254: P8.3@-97.79,-27.686 -97.79,-31.496 v1(-92.329,-36.957)
VBAT_D: C12.2 C13.2 D1.K U4.1
  other v1: -127.635,-58.293 -126.238,-58.293 -124.841,-58.293 -123.444,-58.293 -127.635,-57.531 -126.238,-57.531 -124.841,-57.531 -123.444,-57.531
VBAT_F: C9.2 C10.2 C15.2 D2.A L1.1 U5.14 U5.15 | length 7.8
  Bottom Layer w0.254: U5.15@-118.317,-70.527 U5.15@-118.217,-70.627
  Bottom Layer w0.45: -119.007,-72.128 -118.317,-71.438 U5.15@-118.317,-70.627
  Bottom Layer w0.8: L1.1@-126.343,-77.343 -126.343,-74.908 -125.468,-74.033 D2.A@-123.299,-74.033
VDD_PDOC: C41.2 C42.2 C44.1 C45.1 C49.2 C50.2 R39.2 R42.2 R45.2 U13.1 U13.3 U14.5 U15.16 U16.7 U16.10 | length 30.9
  Top Layer w0.254: R42.2@-101.6,-70.817 -98.474,-70.817 v1(-97.79,-71.501) -97.282,-70.993 U13.1@-97.282,-69.241 ; U13.3@-94.742,-69.241 v1(-94.742,-71.374) -94.742,-71.86 -94.593,-72.009 C41.2@-93.472,-72.009 ; v1(-92.456,-72.771) -90.932,-72.771 C42.2@-90.805,-72.644 -90.802,-72.647 U14.5@-90.802,-74.8 ; U14.5@-90.802,-75.435 U14.5@-90.8,-75.438 ; v1(-81.915,-77.851) -81.026,-77.851 -80.813,-77.638 U16.7@-80.813,-76.941 ; U16.10@-79.613,-75.741 -78.31,-75.741 -77.675,-76.376 C49.2@-76.327,-76.376 C50.2@-74.549,-76.376 -74.549,-75.311 v1(-74.754,-75.106) R45.2@-74.754,-74.041 ; U15.16@-71.374,-69.519 -71.374,-71.628 v1(-70.866,-72.136) C44.1@-70.866,-76.2
  other v1: -84.709,-79.502
pads on no net: C13.0 D4.K K1.6 K1.9 K1.11 K1.13 K2.9 K2.11 K2.13 P1.5 P2. P3. P4. P5. P6.3 P7.3 P7.5 P7.9 P7.10 P20.9 P20.10 R5.2 R9. R10. R12. R13. U5.11 U5.12 U6.8 U8.7 U8.8 U8.9 U8.10 U8.17 U8.32 U8.33 U9.7 U10.1 U10.2 U10.3 U10.4 U10.15 U10.16 U10.17 U15.7 U16.2 U16.3 U16.5 U16.6 U16.15 U16.16 U16.17

## Polygon pours and split planes (outlines as drawn)
0V on Top Layer "5V_TOP_1" (solid, pour order 45): -152.4,0 -152.4,-81.915 -106.68,-81.915 -106.68,-62.103 -117.983,-50.8 -117.983,-25.527 -111.379,-18.923 -67.691,-18.923 -67.691,0
0V_(ISO) on Top Layer "0V_(ISO) TOP" (solid, pour order 34): -113.284,-28.067 -113.284,-50.8 -102.489,-61.595 -80.772,-61.595 -61.849,-61.595 -61.849,-25.019 -110.236,-25.019 -112.141,-26.924
GND_PDOC on Top Layer "GND_PDOC_TOP" (solid, pour order 14): -104.013,-81.788 -104.013,-68.707 -102.997,-67.691 -68.707,-67.691 -68.707,-81.788
VBAT_D on Top Layer "5V_TOP_1" (solid, pour order 28): -124.968,-62.484 -124.968,-61.595 -122.936,-59.563 -122.936,-57.023 -123.063,-56.896 -128.016,-56.896 -128.143,-57.023 -128.143,-58.547 -127.889,-58.801 -126.365,-58.801 -126.238,-58.928 -126.238,-62.484 -126.111,-62.611 -125.095,-62.611
NetC11_2 on Top Layer "5V_TOP_1" (solid, pour order 21): -125.095,-64.135 -126.365,-64.135 -126.873,-64.643 -126.873,-70.358 -126.365,-70.866 -126.365,-72.771 -127.254,-73.66 -127.254,-78.74 -127,-78.994 -124.587,-78.994 -124.333,-78.74 -124.333,-66.929 -124.841,-66.421 -124.841,-64.389
0V on Bottom Layer "5V_TOP_1" (solid, pour order 47): -152.4,0 -152.4,-81.915 -106.68,-81.915 -106.68,-62.103 -117.983,-50.8 -117.983,-25.527 -111.379,-18.923 -67.691,-18.923 -67.691,0
0V_(ISO) on Bottom Layer "0V_(ISO) BOTTOM" (solid, pour order 43): -113.284,-28.067 -113.284,-50.8 -102.489,-61.595 -80.772,-61.595 -61.849,-61.595 -61.849,-25.019 -110.236,-25.019 -112.141,-26.924
GND_PDOC on Bottom Layer "GND_PDOC_BOT" (solid, pour order 26): -104.013,-81.788 -104.013,-68.707 -102.997,-67.691 -68.707,-67.691 -68.707,-81.788
3V3 on Bottom Layer "5V_TOP_1" (solid, pour order 23): -101.727,-47.752 -100.838,-48.641 -100.838,-48.895 -104.648,-52.705 -104.902,-52.705 -105.664,-51.943 -105.664,-49.53 -103.886,-47.752
5V on Bottom Layer "5V_TOP_1" (solid, pour order 44): -112.776,-56.515 -115.951,-53.34 -117.983,-53.34 -118.11,-53.467 -118.11,-55.118 -117.983,-55.245 -115.824,-55.245 -113.665,-57.404
VBAT_F on Bottom Layer "5V_TOP_1" (solid, pour order 37): -124.015,-74.803 -119.57,-74.803 -119.316,-74.549 -119.316,-73.152 -118.126,-71.962 -118.126,-70.405 -118.173,-70.358 -119.951,-70.358 -122.872,-73.279 -123.888,-73.279 -124.142,-73.533 -124.142,-74.676
NetC8_2 on Bottom Layer "5V_TOP_1" (solid, pour order 42): -127.795,-71.101 -128.176,-70.72 -130.335,-70.72 -131.097,-71.482 -131.097,-74.911 -132.24,-76.054 -134.272,-76.054 -134.526,-76.308 -134.526,-77.705 -134.272,-77.959 -132.494,-77.959 -131.351,-79.102 -128.938,-79.102 -128.557,-78.721 -128.557,-74.276 -127.795,-73.514
VBAT_F on Bottom Layer "5V_TOP_1" (solid, pour order 38): -122.555,-68.544 -122.555,-70.068 -122.301,-70.322 -119.761,-70.322 -122.682,-73.533 -124.142,-73.533 -123.825,-73.116 -123.825,-68.544 -123.698,-68.417 -122.682,-68.417
0V_SIG on Bottom Layer "5V_TOP_1" (solid, pour order 36): -115.139,-69.184 -113.488,-69.184 -112.853,-69.819 -112.853,-76.296 -113.615,-77.058 -118.568,-77.058 -118.949,-76.677 -118.949,-75.534 -118.695,-75.28 -114.25,-75.28 -113.742,-74.772 -113.742,-72.105 -115.139,-70.708
5V on Bottom Layer "5V_TOP_1" (solid, pour order 33): -114.681,-62.23 -116.459,-62.23 -116.459,-67.945 -116.713,-68.199 -116.713,-68.834 -115.443,-68.834 -114.681,-68.072 -114.681,-67.691
VBAT_D on Bottom Layer "5V_TOP_1" (solid, pour order 32): -128.839,-52.686 -129.093,-52.94 -129.093,-54.972 -128.204,-55.861 -128.204,-60.814 -130.617,-63.227 -130.617,-65.64 -130.363,-65.894 -127.315,-65.894 -127.061,-65.64 -127.061,-63.354 -122.997,-59.29 -122.997,-52.94 -123.251,-52.686
0V on GND "5V_TOP_1" (solid, pour order 48): -152.4,0 -152.4,-81.915 -106.68,-81.915 -106.68,-62.103 -117.983,-50.8 -117.983,-25.527 -111.379,-18.923 -67.691,-18.923 -67.691,0
0V_(ISO) on GND "0V_(ISO) GND" (solid, pour order 27): -113.284,-28.067 -113.284,-50.8 -102.489,-61.595 -80.772,-61.595 -61.849,-61.595 -61.849,-25.019 -110.236,-25.019 -112.141,-26.924
GND_PDOC on GND "GND_PDOC_GND" (solid, pour order 30): -104.013,-81.788 -104.013,-68.707 -102.997,-67.691 -68.707,-67.691 -68.707,-81.788
5V on PWR "5V_TOP_1" (solid, pour order 46): -152.4,0 -152.4,-81.915 -106.68,-81.915 -106.68,-62.103 -117.983,-50.8 -117.983,-25.527 -111.379,-18.923 -67.691,-18.923 -67.691,0
3V3 on PWR "3V3" (solid, pour order 29): -113.284,-28.067 -113.284,-50.8 -102.489,-61.595 -80.772,-61.595 -61.849,-61.595 -61.849,-25.019 -110.236,-25.019 -112.141,-26.924
VDD_PDOC on PWR "3V3_PDOC_PWR" (solid, pour order 31): -104.013,-81.788 -104.013,-68.707 -102.997,-67.691 -68.707,-67.691 -68.707,-81.788

## Other copper
Top Layer:
  pour cut-out: -81.182,-37.494 -80.42,-37.494 -78.105,-35.179 -73.025,-35.179 -71.501,-36.703 -71.501,-41.783 -73.279,-43.561 -78.105,-43.561 -78.359,-43.307 -79.121,-43.307 -78.105,-44.323 -73.152,-44.323 -70.866,-42.037 -70.866,-36.322 -72.898,-34.29 -77.978,-34.29 -80.137,-36.449
  pour cut-out: -80.01,-40.259 -80.01,-38.862 -72.5,-38.862 -72.488,-38.85 -72.488,-40.17

## Silkscreen, mask and mechanical layers (free items; w line width, h text height)
Top Overlay:
  region: -27.261,-62.624 -25.571,-63.106 -25.773,-62.593 -24.711,-62.897 -24.711,-63.125 -24.312,-62.726 -24.711,-62.327 -24.711,-62.51 -26.305,-62.009 -25.986,-62.646 -27.261,-62.009
  region: -27.134,-10.681 -25.444,-11.163 -25.646,-10.65 -24.584,-10.954 -24.584,-11.182 -24.185,-10.783 -24.584,-10.384 -24.584,-10.567 -26.178,-10.066 -25.859,-10.703 -27.134,-10.066
  lines w0.254: -106.68,-81.915 -106.68,-62.103 -117.983,-50.8 -117.983,-25.527 -111.379,-18.923 -110.871,-18.923 -67.691,-18.923 -67.691,-0.127 ; -104.013,-81.915 -104.013,-68.707 -102.997,-67.691 -68.707,-67.691 -68.707,-81.788 ; -61.849,-56.896 -61.849,-61.595 -66.04,-61.595 -102.489,-61.595 -113.284,-50.8 -113.284,-45.72 -113.284,-44.323 -113.284,-38.481 -113.284,-28.067 -110.236,-25.019 -109.093,-25.019 -61.849,-25.019 -61.849,-28.702 ; -61.849,-54.229 -61.849,-31.496 ; -61.116,-0.156 -61.116,-0.606 -61.116,-12.671 -60.96,-12.827 -55.753,-18.034 -55.753,-67.691 -60.452,-72.39 -60.452,-73.279 -60.452,-81.788
  lines w0.486: -23.797,-65.776 -23.797,-59.297 ; -23.797,-65.686 -29.286,-62.469 -23.797,-59.207 ; -23.67,-13.833 -23.67,-7.354 ; -23.67,-13.743 -29.159,-10.526 -23.67,-7.264
  text "HV TEST POINT +" at -19.431,-2.032 h1.2
  text "HIGH VOLTAGE" at -21.59,-16.129 h1 r90
  text "HV MC +" at -19.431,-19.558 h1.2
  text "HV MC -" at -19.812,-53.848 h1.2
  text "HIGH VOLTAGE" at -21.717,-68.072 h1 r90
  text "HV TEST POINT -" at -19.812,-72.009 h1.2
Bottom Overlay:
  drawing of 61 lines, arcs and shapes, not listed
  text "5kW REF ADJUST" at -123.571,-5.334 h1.2
  text "HV TEST POINT +" at -1.27,-10.795 h1.2
  text "TSAL FREQ ADJUST" at -94.488,-16.256 h1.2
  text "HIGH VOLTAGE" at -21.59,-17.653 h1 r90
  text "HV MC +" at -5.461,-19.558 h1.2
  text "CAN TERM" at -140.843,-38.1 h1.2 r180
  text "TSAL REF ADJUST" at -19.939,-44.704 h1.2
  text "HIGH VOLTAGE" at -21.717,-47.879 h1 r90
  text "BIAS ADJUST" at -1.27,-52.324 h1.2
  text "HV MC -" at -7.112,-62.738 h1.2
  text "HV TEST POINT -" at -1.27,-72.009 h1.2
  text "Team Swinburne" at -2.321,-76.354 h3.05
  text "Formula SAE" at -2.321,-77.878 h1.78
  text "Discharge B1 Sample" at -2.286,-78.867 h1.02
  text "PDOC REF ADJUST" at -70.104,-79.629 h1.2
  text "24/01/2024 - L.D" at -2.286,-80.01 h1.02
Mechanical 1:
  lines w0.254: -120.777,-81.915 -117.729,-81.915 ; -152.4,-81.915 -152.4,0 -112.522,0 -58.166,0 0,0 0,-68.199 0,-81.915 -112.649,-81.915 -152.4,-81.915